# KiCad board accurate2_eval.kicad_pcb (continued)
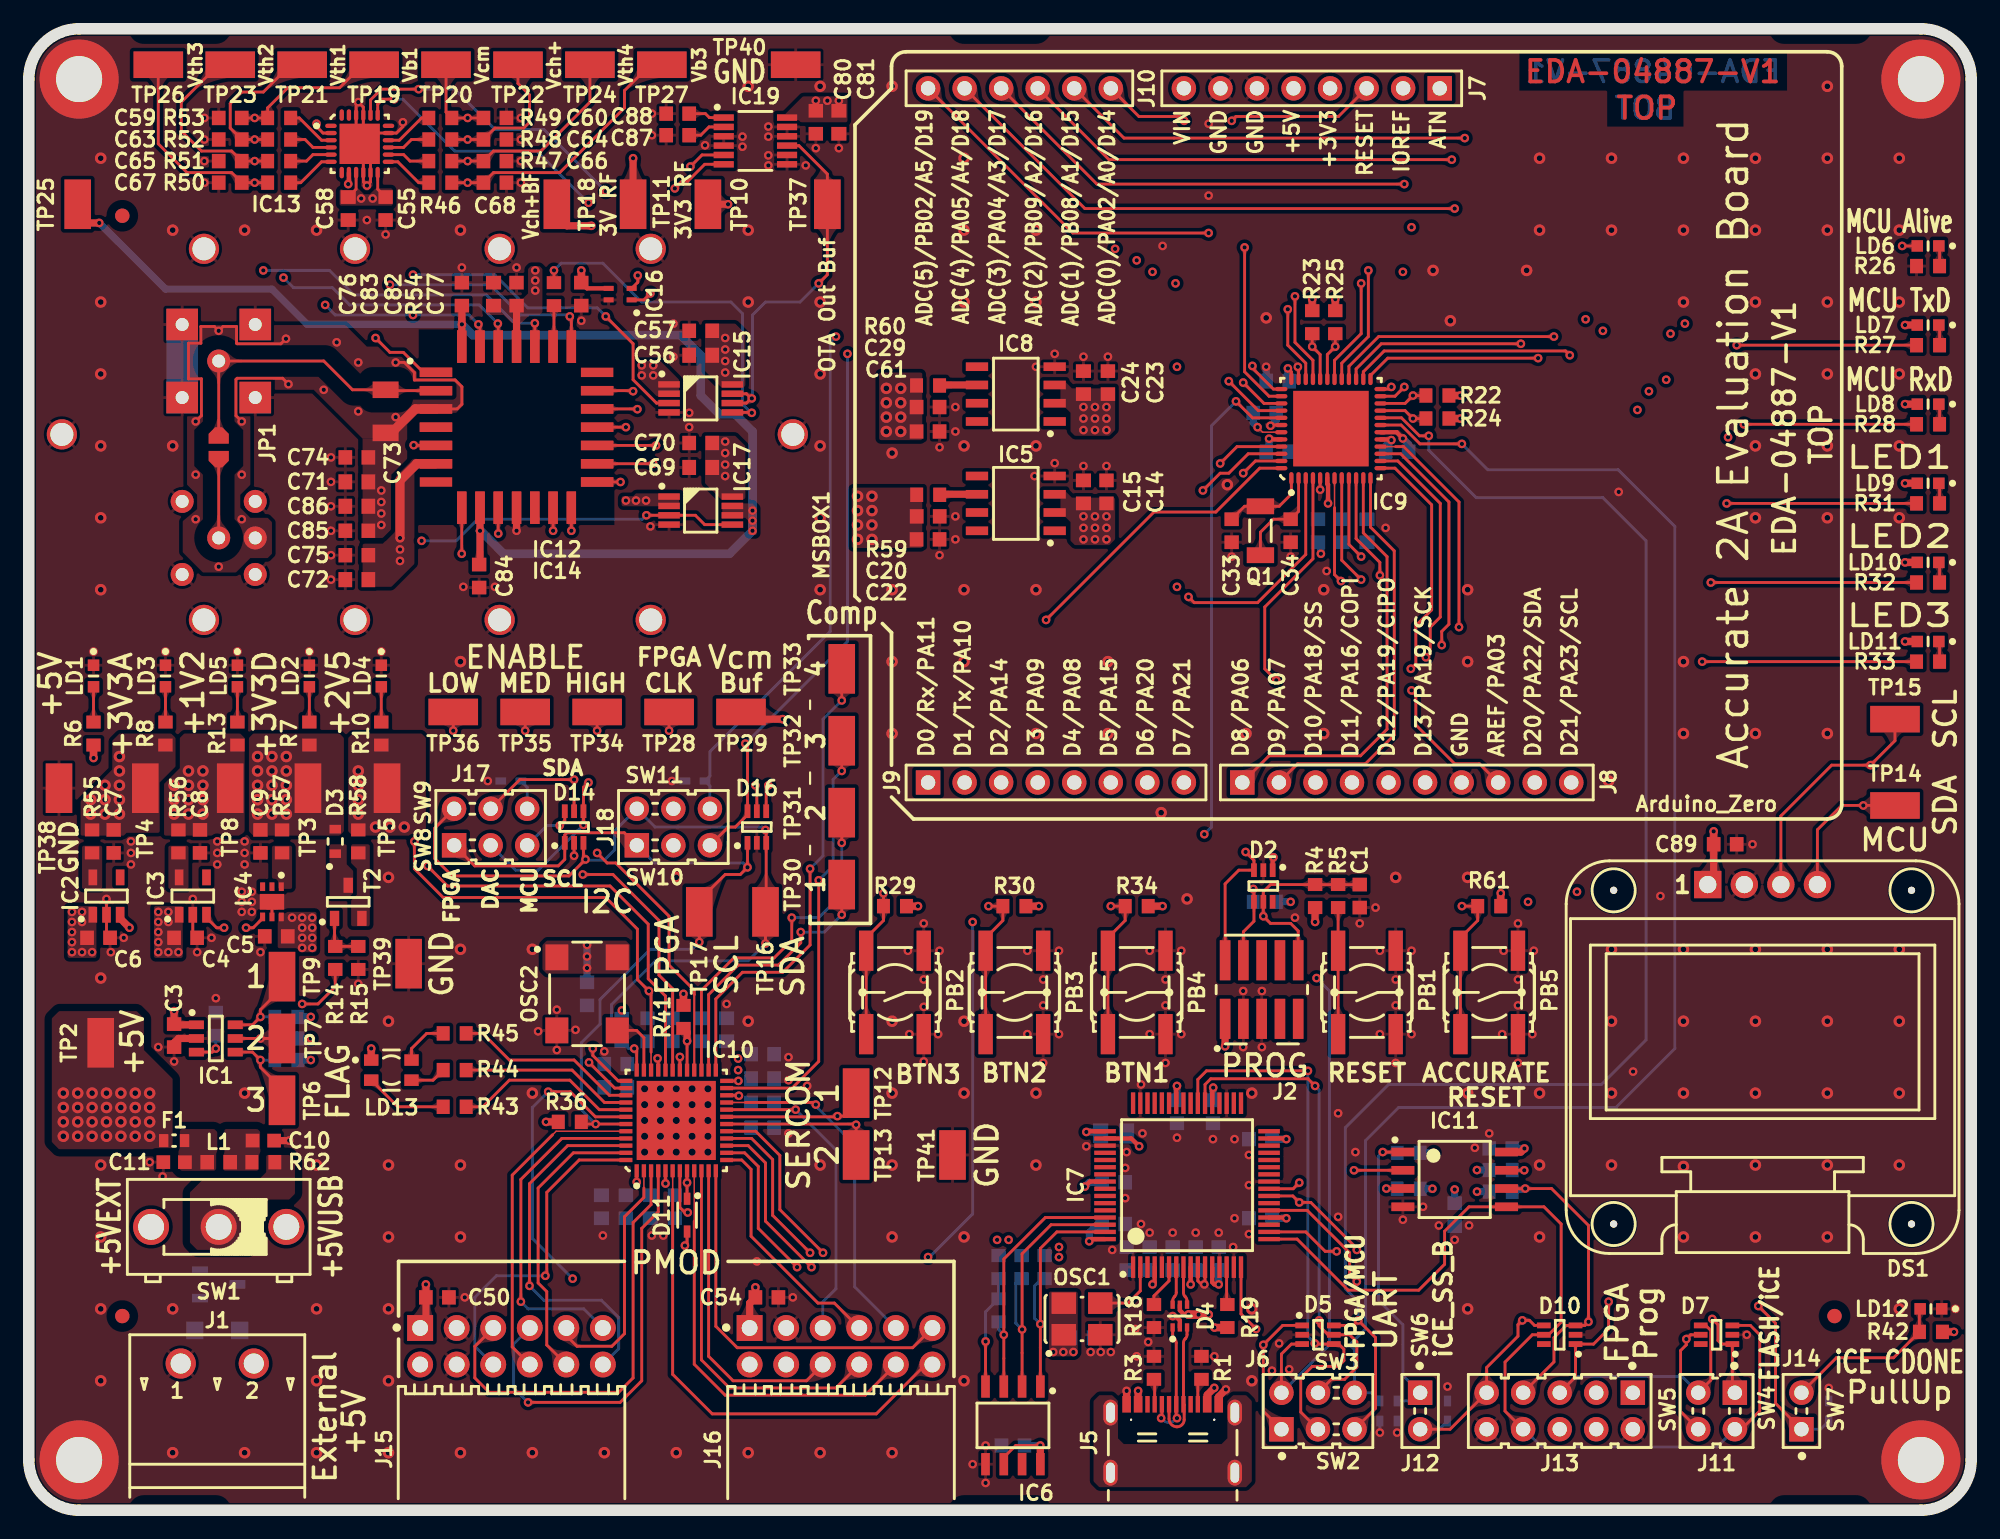
[diagram p0: board, top side]
## Placement (name value [footprint] x y rotation side) (continued)
TP19  -  [HARWIN_S1751-46]  24 100.5 0 top
TP20  -  [HARWIN_S1751-46]  29 100.5 0 top
TP21  -  [HARWIN_S1751-46]  19 100.5 0 top
TP22  -  [HARWIN_S1751-46]  34 100.5 0 top
TP23  -  [HARWIN_S1751-46]  14 100.5 0 top
TP24  -  [HARWIN_S1751-46]  39 100.5 0 top
TP25  -  [HARWIN_S1751-46]  3.4 90.8 90 top
TP26  -  [HARWIN_S1751-46]  9 100.5 0 top
TP27  -  [HARWIN_S1751-46]  44 100.5 0 top
TP28  -  [HARWIN_S1751-46]  44.5 55.5 0 top
TP29  -  [HARWIN_S1751-46]  49.5 55.5 0 top
TP30  -  [HARWIN_S1751-46]  56.5 43.5 90 top
TP31  -  [HARWIN_S1751-46]  56.5 48.5 90 top
TP32  -  [HARWIN_S1751-46]  56.5 53.5 90 top
TP33  -  [HARWIN_S1751-46]  56.5 58.5 90 top
TP34  -  [HARWIN_S1751-46]  39.5 55.5 0 top
TP35  -  [HARWIN_S1751-46]  34.5 55.5 0 top
TP36  -  [HARWIN_S1751-46]  29.5 55.5 0 top
TP37  -  [HARWIN_S1751-46]  55.5 90.8 90 top
TP38  -  [HARWIN_S1751-46]  2.1 50.2 270 top
TP39  -  [HARWIN_S1751-46]  26.4 38 90 top
TP40  -  [HARWIN_S1751-46]  53.3 100.5 180 top
TP41  -  [HARWIN_S1751-46]  64.2 24.7 90 top

## Library data of the parts
B1-B4 = -: Datasheet: Undefined; Author: CERN DEM JMW; Component Kind: Standard (No BOM); Component Type: Standard (No BOM); ComponentHeight: 0mm; CreateDate: 10/01/12 00:00:00; Database Table Name: Eletro-mechanical; Family: Plated Hole; Footprint Library: Pads; Footprint Path: PcbLib\Pads.PcbLib; Footprint Ref: MTG320_550; HelpURL: Undefined; LatestRevisionDate: 10/01/12 00:00:00; Library Name: Pads; Library Path: SchLib\Pads.SchLib; Library Ref: Single Terminal Socket; License: This work is licensed under the Creative Commons CC-BY-SA 4.0 License. To the extent that circuit schematics that use Licensed Material can be considered to be ‘Adapted Material’, then the copyright holder waives article 3.b of the license with respect to these schematics.; Mounted: No; PackageDescription: Plated Through Hole: Hole Dia.=3.2mm Pad Dia.=5.5mm; Part Description: Plated Through Hole: Hole Dia.=3.2mm Pad Dia.=5.5mm; Pin Count: 1; SMD: No; Sense: No; Socket: No; Status: None
B5-B8 = -: Datasheet: Undefined; Author: CERN DEM JMW; Component Kind: Standard (No BOM); Component Type: Standard (No BOM); ComponentHeight: 0mm; CreateDate: 05/18/22 00:00:00; Database Table Name: Eletro-mechanical; Family: Non Plated Hole; Footprint Library: Pads; Footprint Path: PcbLib\Pads.PcbLib; Footprint Ref: MTG250; HelpURL: Undefined; LatestRevisionDate: 05/18/22 00:00:00; Library Name: Pads; Library Path: SchLib\Pads.SchLib; Library Ref: Single Terminal Socket; License: This work is licensed under the Creative Commons CC-BY-SA 4.0 License. To the extent that circuit schematics that use Licensed Material can be considered to be ‘Adapted Material’, then the copyright holder waives article 3.b of the license with respect to these schematics.; Mounted: No; PackageDescription: Non Plated Through Hole: Hole Dia.=2.5mm; Part Description: Non Plated Through Hole: Hole Dia.=2.5mm; Pin Count: 1; SMD: No; Sense: No; Socket: No; Status: None
C1-C3 C14 C18 C19 C23 C25-C32 C36 C37 C39 C41-C44 C46 C47 C50-C55 C57 C70 C74-C77 C80 C82 C84 C85 C87 C88 C90 C93 = -: Datasheet: \\cern.ch\dfs\Applications\Altium\Datasheets\CC0603_X7R_PHYCOMP.pdf; Author: CERN DEM JLC; Case: 0603; Comment: 100nF; Component Kind: Standard; Component Type: Standard; CreateDate: 12/03/07 00:00:00; Database Table Name: Capacitors; Footprint Library: Capacitors SMD; Footprint Path: PcbLib\Capacitors SMD.PcbLib; Footprint Ref: CAPC1608X87N; HelpURL: \\cern.ch\dfs\Applications\Altium\Datasheets\CC0603_X7R_PHYCOMP.pdf; LatestRevisionDate: 12/03/07 00:00:00; Library Name: Capacitors SMD; Library Path: SchLib\Capacitors.SchLib; Library Ref: Capacitor - non polarized; License: This work is licensed under the Creative Commons CC-BY-SA 4.0 License. To the extent that circuit schematics that use Licensed Material can be considered to be ‘Adapted Material’, then the copyright holder waives article 3.b of the license with respect to these schematics.; Manufacturer: GENERIC; Manufacturer1 ComponentHeight: 0.87mm; Manufacturer1 Example: PHYCOMP; Manufacturer1 Part Number: 223858615649; Mounted: Yes; Part Description: SMD Multilayer Chip Ceramic Capacitor; Pin Count: 2; SMD: Yes; Sense: No; Socket: No; Status: Preferred; TC: X7R; Tolerance: ±10%; Val: 100nF; Voltage: 50V
C4-C9 C40 C89 = -: Datasheet: \\cern.ch\dfs\Applications\Altium\Datasheets\CC0603_X7R_MURATA.pdf; Author: CERN DEM JLC; Case: 0603; Comment: 1uF; Component Kind: Standard; Component Type: Standard; CreateDate: 01/18/11 00:00:00; Database Table Name: Capacitors; Footprint Library: Capacitors SMD; Footprint Path: PcbLib\Capacitors SMD.PcbLib; Footprint Ref: CAPC1608X87N; HelpURL: \\cern.ch\dfs\Applications\Altium\Datasheets\CC0603_X7R_MURATA.pdf; LatestRevisionDate: 01/18/11 00:00:00; Library Name: Capacitors SMD; Library Path: SchLib\Capacitors.SchLib; Library Ref: Capacitor - non polarized; License: This work is licensed under the Creative Commons CC-BY-SA 4.0 License. To the extent that circuit schematics that use Licensed Material can be considered to be ‘Adapted Material’, then the copyright holder waives article 3.b of the license with respect to these schematics.; Manufacturer: GENERIC; Manufacturer1 ComponentHeight: 0.9mm; Manufacturer1 Example: MURATA; Manufacturer1 Part Number: GRM188R71E105KA12D; Mounted: Yes; Part Description: SMD Multilayer Chip Ceramic Capacitor; Pin Count: 2; SMD: Yes; Sense: No; Socket: No; Status: None; TC: X7R; Tolerance: ±10%; Val: 1uF; Voltage: 25V
C10 C11 = -: Datasheet: \\cern.ch\dfs\Applications\Altium\Datasheets\CC0603_X7R_TAIYO-YUDEN_HIGH-VALUE.pdf; Author: CERN DEM JLC; Case: 0603; Comment: 2.2uF; Component Kind: Standard; Component Type: Standard; CreateDate: 06/22/11 00:00:00; Database Table Name: Capacitors; Footprint Library: Capacitors SMD; Footprint Path: PcbLib\Capacitors SMD.PcbLib; Footprint Ref: CAPC1608X90N; HelpURL: \\cern.ch\dfs\Applications\Altium\Datasheets\CC0603_X7R_TAIYO-YUDEN_HIGH-VALUE.pdf; LatestRevisionDate: 06/27/11 00:00:00; Library Name: Capacitors SMD; Library Path: SchLib\Capacitors.SchLib; Library Ref: Capacitor - non polarized; License: This work is licensed under the Creative Commons CC-BY-SA 4.0 License. To the extent that circuit schematics that use Licensed Material can be considered to be ‘Adapted Material’, then the copyright holder waives article 3.b of the license with respect to these schematics.; Manufacturer: GENERIC; Manufacturer1 ComponentHeight: 0.9mm; Manufacturer1 Example: TAIYO YUDEN; Manufacturer1 Part Number: LMK107B7225MA-T; Mounted: Yes; Part Description: SMD Multilayer Chip Ceramic Capacitor; Pin Count: 2; SMD: Yes; Sense: No; Socket: No; Status: Not Recommended; TC: X7R; Tolerance: ±20%; Val: 2.2uF; Voltage: 10V
C12 C13 = -: Datasheet: \\cern.ch\dfs\Applications\Altium\Datasheets\CC0603_X7R_PHYCOMP.pdf; Author: CERN DEM JLC; Case: 0603; Comment: 10nF; Component Kind: Standard; Component Type: Standard; CreateDate: 12/03/07 00:00:00; Database Table Name: Capacitors; Footprint Library: Capacitors SMD; Footprint Path: PcbLib\Capacitors SMD.PcbLib; Footprint Ref: CAPC1608X87N; HelpURL: \\cern.ch\dfs\Applications\Altium\Datasheets\CC0603_X7R_PHYCOMP.pdf; LatestRevisionDate: 12/03/07 00:00:00; Library Name: Capacitors SMD; Library Path: SchLib\Capacitors.SchLib; Library Ref: Capacitor - non polarized; License: This work is licensed under the Creative Commons CC-BY-SA 4.0 License. To the extent that circuit schematics that use Licensed Material can be considered to be ‘Adapted Material’, then the copyright holder waives article 3.b of the license with respect to these schematics.; Manufacturer: GENERIC; Manufacturer1 ComponentHeight: 0.87mm; Manufacturer1 Example: PHYCOMP; Manufacturer1 Part Number: 223858615636; Mounted: Yes; Part Description: SMD Multilayer Chip Ceramic Capacitor; Pin Count: 2; SMD: Yes; Sense: No; Socket: No; Status: Preferred; TC: X7R; Tolerance: ±10%; Val: 10nF; Voltage: 50V
C15 C24 C35 C38 C45 C48 C49 C56 C58 C69 C71 C72 C81 C83 C86 C91 C92 C94 = -: Datasheet: \\cern.ch\dfs\Applications\Altium\Datasheets\CC0603_X5R_TDK_C.pdf; Author: CERN DEM BC; Case: 0603; Comment: 10uF; Component Kind: Standard; Component Type: Standard; CreateDate: 07/01/20 00:00:00; Database Table Name: Capacitors; Footprint Library: Capacitors SMD; Footprint Path: PcbLib\Capacitors SMD.PcbLib; Footprint Ref: CAPC1709X100N; HelpURL: \\cern.ch\dfs\Applications\Altium\Datasheets\CC0603_X5R_TDK_C.pdf; LatestRevisionDate: 07/01/20 00:00:00; Library Name: Capacitors SMD; Library Path: SchLib\Capacitors.SchLib; Library Ref: Capacitor - non polarized; License: This work is licensed under the Creative Commons CC-BY-SA 4.0 License. To the extent that circuit schematics that use Licensed Material can be considered to be ‘Adapted Material’, then the copyright holder waives article 3.b of the license with respect to these schematics.; Manufacturer: GENERIC; Manufacturer1 ComponentHeight: 1mm; Manufacturer1 Example: TDK; Manufacturer1 Part Number: C1608X5R1E106M080; Mounted: Yes; Part Description: SMD Multilayer Chip Ceramic Capacitor; Pin Count: 2; SMD: Yes; Sense: No; Socket: No; Status: None; TC: X5R; Tolerance: ±20%; Val: 10uF; Voltage: 25V
C16 C17 = -: Datasheet: \\cern.ch\dfs\Applications\Altium\Datasheets\CC0805_X5R_PHYCOMP_HC.pdf; Author: CERN DEM JLC; Case: 0603; Comment: 4.7uF; Component Kind: Standard; Component Type: Standard; CreateDate: 12/03/07 00:00:00; Database Table Name: Capacitors; Footprint Library: Capacitors SMD; Footprint Path: PcbLib\Capacitors SMD.PcbLib; Footprint Ref: CAPC1608X87N; HelpURL: \\cern.ch\dfs\Applications\Altium\Datasheets\CC0805_X5R_PHYCOMP_HC.pdf; LatestRevisionDate: 12/03/07 00:00:00; Library Name: Capacitors SMD; Library Path: SchLib\Capacitors.SchLib; Library Ref: Capacitor - non polarized; License: This work is licensed under the Creative Commons CC-BY-SA 4.0 License. To the extent that circuit schematics that use Licensed Material can be considered to be ‘Adapted Material’, then the copyright holder waives article 3.b of the license with respect to these schematics.; Manufacturer: GENERIC; Manufacturer1 ComponentHeight: 0.87mm; Manufacturer1 Example: PHYCOMP; Manufacturer1 Part Number: 225520613672; Mounted: Yes; Part Description: SMD Multilayer Chip Ceramic Capacitor; Pin Count: 2; SMD: Yes; Sense: No; Socket: No; Status: Preferred; TC: X5R; Tolerance: ±10%; Val: 4.7uF; Voltage: 6.3V
C20 = -: Datasheet: \\cern.ch\dfs\Applications\Altium\Datasheets\CC0603_X7R_MURATA.pdf; Description: SMD Multilayer Chip Ceramic Capacitor; Author: CERN DEM JLC; Case: 0603; Comment: 1uF; Component Kind: Standard; Component Type: Standard; CreateDate: 01/18/11 00:00:00; Database Table Name: Capacitors; Footprint Library: Capacitors SMD; Footprint Path: PcbLib\Capacitors SMD.PcbLib; Footprint Ref: CAPC1608X87N; HelpURL: \\cern.ch\dfs\Applications\Altium\Datasheets\CC0603_X7R_MURATA.pdf; LatestRevisionDate: 01/18/11 00:00:00; Library Name: Capacitors SMD; Library Path: SchLib\Capacitors.SchLib; Library Ref: Capacitor - non polarized; License: CC-BY-SA 4.0; Manufacturer: GENERIC; Manufacturer1 ComponentHeight: 0.9mm; Manufacturer1 Example: MURATA; Manufacturer1 Part Number: GRM188R71E105KA12D; Mounted: Yes; Part Description: SMD Multilayer Chip Ceramic Capacitor; Pin Count: 2; SMD: Yes; Sense: No; Socket: No; Status: None; TC: X7R; Tolerance: ±10%; Val: 1uF; Voltage: 25V
C21 = -: Datasheet: \\cern.ch\dfs\Applications\Altium\Datasheets\CC0805_X5R_AVX.pdf; Author: CERN DEM JLC; Case: 0805; Comment: 3.3uF; Component Kind: Standard; Component Type: Standard; CreateDate: 12/03/07 00:00:00; Database Table Name: Capacitors; Footprint Library: Capacitors SMD; Footprint Path: PcbLib\Capacitors SMD.PcbLib; Footprint Ref: CAPC2012X135N; HelpURL: \\cern.ch\dfs\Applications\Altium\Datasheets\CC0805_X5R_AVX.pdf; LatestRevisionDate: 12/03/07 00:00:00; Library Name: Capacitors SMD; Library Path: SchLib\Capacitors.SchLib; Library Ref: Capacitor - non polarized; License: This work is licensed under the Creative Commons CC-BY-SA 4.0 License. To the extent that circuit schematics that use Licensed Material can be considered to be ‘Adapted Material’, then the copyright holder waives article 3.b of the license with respect to these schematics.; Manufacturer: GENERIC; Manufacturer1 ComponentHeight: 1.4mm; Manufacturer1 Example: AVX; Manufacturer1 Part Number: 0805ZD335KAT2A; Mounted: Yes; Part Description: SMD Multilayer Chip Ceramic Capacitor; Pin Count: 2; SMD: Yes; Sense: No; Socket: No; Status: Preferred; TC: X5R; Tolerance: ±10%; Val: 3.3uF; Voltage: 10V
C22 = -: Datasheet: \\cern.ch\dfs\Applications\Altium\Datasheets\CC0603_X7R_PHYCOMP.pdf; Description: SMD Multilayer Chip Ceramic Capacitor; Author: CERN DEM JLC; Case: 0603; Comment: 100nF; Component Kind: Standard; Component Type: Standard; CreateDate: 12/03/07 00:00:00; Database Table Name: Capacitors; Footprint Library: Capacitors SMD; Footprint Path: PcbLib\Capacitors SMD.PcbLib; Footprint Ref: CAPC1608X87N; HelpURL: \\cern.ch\dfs\Applications\Altium\Datasheets\CC0603_X7R_PHYCOMP.pdf; LatestRevisionDate: 12/03/07 00:00:00; Library Name: Capacitors SMD; Library Path: SchLib\Capacitors.SchLib; Library Ref: Capacitor - non polarized; License: CC-BY-SA 4.0; Manufacturer: GENERIC; Manufacturer1 ComponentHeight: 0.87mm; Manufacturer1 Example: PHYCOMP; Manufacturer1 Part Number: 223858615649; Mounted: Yes; Part Description: SMD Multilayer Chip Ceramic Capacitor; Pin Count: 2; SMD: Yes; Sense: No; Socket: No; Status: Preferred; TC: X7R; Tolerance: ±10%; Voltage: 50V
C33 C34 = -: Datasheet: \\cern.ch\dfs\Applications\Altium\Datasheets\CC0603_NP0_PHYCOMP.pdf; Author: CERN DEM JLC; Case: 0603; Comment: 22pF; Component Kind: Standard; Component Type: Standard; CreateDate: 12/03/07 00:00:00; Database Table Name: Capacitors; Footprint Library: Capacitors SMD; Footprint Path: PcbLib\Capacitors SMD.PcbLib; Footprint Ref: CAPC1608X87N; HelpURL: \\cern.ch\dfs\Applications\Altium\Datasheets\CC0603_NP0_PHYCOMP.pdf; LatestRevisionDate: 12/03/07 00:00:00; Library Name: Capacitors SMD; Library Path: SchLib\Capacitors.SchLib; Library Ref: Capacitor - non polarized; License: This work is licensed under the Creative Commons CC-BY-SA 4.0 License. To the extent that circuit schematics that use Licensed Material can be considered to be ‘Adapted Material’, then the copyright holder waives article 3.b of the license with respect to these schematics.; Manufacturer: GENERIC; Manufacturer1 ComponentHeight: 0.87mm; Manufacturer1 Example: PHYCOMP; Manufacturer1 Part Number: 223886715229; Mounted: Yes; Part Description: SMD Multilayer Chip Ceramic Capacitor; Pin Count: 2; SMD: Yes; Sense: No; Socket: No; Status: Preferred; TC: C0G/NP0; Tolerance: ±5%; Val: 22pF; Voltage: 50V
C59 C60 C63-C68 = -: Datasheet: \\cern.ch\dfs\Applications\Altium\Datasheets\CC0603_NP0_PHYCOMP.pdf; Author: CERN DEM JLC; Case: 0603; Comment: 470pF; Component Kind: Standard; Component Type: Standard; CreateDate: 12/03/07 00:00:00; Database Table Name: Capacitors; Footprint Library: Capacitors SMD; Footprint Path: PcbLib\Capacitors SMD.PcbLib; Footprint Ref: CAPC1608X87N; HelpURL: \\cern.ch\dfs\Applications\Altium\Datasheets\CC0603_NP0_PHYCOMP.pdf; LatestRevisionDate: 12/03/07 00:00:00; Library Name: Capacitors SMD; Library Path: SchLib\Capacitors.SchLib; Library Ref: Capacitor - non polarized; License: This work is licensed under the Creative Commons CC-BY-SA 4.0 License. To the extent that circuit schematics that use Licensed Material can be considered to be ‘Adapted Material’, then the copyright holder waives article 3.b of the license with respect to these schematics.; Manufacturer: GENERIC; Manufacturer1 ComponentHeight: 0.87mm; Manufacturer1 Example: PHYCOMP; Manufacturer1 Part Number: 223886715471; Mounted: No; Part Description: SMD Multilayer Chip Ceramic Capacitor; Pin Count: 2; SMD: Yes; Sense: No; Socket: No; Status: Preferred; TC: C0G/NP0; Tolerance: ±5%; Val: 470pF; Voltage: 50V
C61 = -: Datasheet: \\cern.ch\dfs\Applications\Altium\Datasheets\CC0603_X7R_MURATA.pdf; Description: SMD Multilayer Chip Ceramic Capacitor; Val: 1uF; Library Ref: Capacitor - non polarized; Library Path: SchLib\Capacitors.SchLib; Comment: 1uF; Component Kind: Standard; Component Type: Standard; Pin Count: 2; Footprint Path: PcbLib\Capacitors SMD.PcbLib; Footprint Ref: CAPC1608X87N; Status: None; Voltage: 25V; TC: X7R; Tolerance: ±10%; Part Description: SMD Multilayer Chip Ceramic Capacitor; Manufacturer: GENERIC; Case: 0603; Mounted: Yes; Socket: No; SMD: Yes; Sense: No; Manufacturer1 Example: MURATA; Manufacturer1 Part Number: GRM188R71E105KA12D; Manufacturer1 ComponentHeight: 0.9mm; HelpURL: \\cern.ch\dfs\Applications\Altium\Datasheets\CC0603_X7R_MURATA.pdf; Author: CERN DEM JLC; CreateDate: 01/18/11 00:00:00; LatestRevisionDate: 01/18/11 00:00:00; Database Table Name: Capacitors; Library Name: Capacitors SMD; Footprint Library: Capacitors SMD; License: CC-BY-SA 4.0
C73 = -: Datasheet: \\cern.ch\dfs\Applications\Altium\Datasheets\CC1206_X7R_VISHAY_VJ.pdf; Author: CERN DEM JLC; Case: 1206; Comment: 100nF; Component Kind: Standard; Component Type: Standard; CreateDate: 12/03/07 00:00:00; Database Table Name: Capacitors; Footprint Library: Capacitors SMD; Footprint Path: PcbLib\Capacitors SMD.PcbLib; Footprint Ref: CAPC3216X140N; HelpURL: \\cern.ch\dfs\Applications\Altium\Datasheets\CC1206_X7R_VISHAY_VJ.pdf; LatestRevisionDate: 12/03/07 00:00:00; Library Name: Capacitors SMD; Library Path: SchLib\Capacitors.SchLib; Library Ref: Capacitor - non polarized; License: This work is licensed under the Creative Commons CC-BY-SA 4.0 License. To the extent that circuit schematics that use Licensed Material can be considered to be ‘Adapted Material’, then the copyright holder waives article 3.b of the license with respect to these schematics.; Manufacturer: GENERIC; Manufacturer1 ComponentHeight: 1.7mm; Manufacturer1 Example: VISHAY VITRAMON; Manufacturer1 Part Number: VJ1206Y104KXAAT; Mounted: No; Part Description: SMD Multilayer Chip Ceramic Capacitor; Pin Count: 2; SMD: Yes; Sense: No; Socket: No; Status: Preferred; TC: X7R; Tolerance: ±10%; Val: 100nF; Voltage: 50V
D1 = -: Datasheet: \\cern.ch\dfs\Applications\Altium\Datasheets\LITTELFUSE_SMF.pdf; Author: CERN DEM HF; Bonding: No; Case: SOD-123FL; Component Kind: Standard; Component Type: Standard; ComponentHeight: 1.08mm; CreateDate: 02/27/23 00:00:00; Database Table Name: ICs And Semiconductors; Footprint Library: ICs And Semiconductors SMD; Footprint Path: PcbLib\ICs And Semiconductors SMD.PcbLib; Footprint Ref: SODFL3718X108N; HelpURL: \\cern.ch\dfs\Applications\Altium\Datasheets\LITTELFUSE_SMF.pdf; LatestRevisionDate: 02/27/23 00:00:00; Library Name: Diodes; Library Path: SchLib\Diodes.SchLib; Library Ref: Diode TVS Uni-Directional; License: This work is licensed under the Creative Commons CC-BY-SA 4.0 License. To the extent that circuit schematics that use Licensed Material can be considered to be ‘Adapted Material’, then the copyright holder waives article 3.b of the license with respect to these schematics.; Manufacturer: LITTELFUSE; Mounted: Yes; PackageDescription: SODFL Diode (SOD123FL); 2.75mm W X 1.72mm L X 1.08mm H body, IPC Medium Density; Part Description: Bi-directional TVS Diode,  Lightning Surge Protection; Pin Count: 2; Power: 200W; PressFit: No; SMD: Yes; Sense: No; Socket: No; Voltage: 5V
D2 D5 D7 D14 D16 = -: Datasheet: \\cern.ch\dfs\Applications\Altium\Datasheets\PESD3V3L5UY.pdf; Author: CERN DEM WB; Bonding: No; Case: SOT363; Component Kind: Standard; Component Type: Standard; ComponentHeight: 1.1mm; CreateDate: 07/05/21 00:00:00; Database Table Name: ICs And Semiconductors; Footprint Library: ICs And Semiconductors SMD; Footprint Path: PcbLib\ICs And Semiconductors SMD.PcbLib; Footprint Ref: SOT65P210X110-6N; HelpURL: \\cern.ch\dfs\Applications\Altium\Datasheets\PESD3V3L5UY.pdf; LatestRevisionDate: 07/05/21 00:00:00; Library Name: Diodes; Library Path: SchLib\Diodes.SchLib; Library Ref: PESD Array 5diodes 6pins Common anode2; License: This work is licensed under the Creative Commons CC-BY-SA 4.0 License. To the extent that circuit schematics that use Licensed Material can be considered to be ‘Adapted Material’, then the copyright holder waives article 3.b of the license with respect to these schematics.; Manufacturer: NEXPERIA; Mounted: Yes; PackageDescription: SOT363, SC-88, 0.65mm Pitch; 6 Pin, 1.25mm W X 2.00mm L X 1.10mm H body, IPC Medium Density; Part Description: Fivefold ESD Protection Diode Arrays (30kV); Pin Count: 6; Power: 200W; PressFit: No; SMD: Yes; Sense: No; Socket: No; Voltage: 3.3V
D3 = -: Datasheet: \\cern.ch\dfs\Applications\Altium\Datasheets\CDBU0520-HF.pdf; Author: CERN DEM HF; Bonding: No; Case: SOD-523F; Component Kind: Standard; Component Type: Standard; ComponentHeight: 1mm; CreateDate: 10/13/23 00:00:00; Database Table Name: ICs And Semiconductors; Footprint Library: ICs And Semiconductors SMD; Footprint Path: PcbLib\ICs And Semiconductors SMD.PcbLib; Footprint Ref: SOD-523F; HelpURL: \\cern.ch\dfs\Applications\Altium\Datasheets\CDBU0520-HF.pdf; LatestRevisionDate: 10/13/23 00:00:00; Library Name: Diodes; Library Path: SchLib\Diodes.SchLib; Library Ref: Diode Schottky; License: This work is licensed under the Creative Commons CC-BY-SA 4.0 License. To the extent that circuit schematics that use Licensed Material can be considered to be ‘Adapted Material’, then the copyright holder waives article 3.b of the license with respect to these schematics.; Manufacturer: COMCHIP; Mounted: Yes; PackageDescription: Small Outline Diode Flat Lead (SOD-523F), Body; 1.80mm L X 1mm W X 0.85mm H; Part Description: 20V Surface mount Schottky Barrier Diode; Pin Count: 2; Power: 500mA; PressFit: No; SMD: Yes; Sense: No; Socket: No; Voltage: 20V
D4 = -: Datasheet: \\cern.ch\dfs\Applications\Altium\Datasheets\USBLC6-2P6.pdf; Author: CERN DEM MR; Bonding: No; Case: SOT666; Component Kind: Standard; Component Type: Standard; ComponentHeight: 0.6mm; CreateDate: 06/16/16 00:00:00; Database Table Name: ICs And Semiconductors; Footprint Library: ICs And Semiconductors SMD; Footprint Path: PcbLib\ICs And Semiconductors SMD.PcbLib; Footprint Ref: SOTFL50P160X60-6N; HelpURL: \\cern.ch\dfs\Applications\Altium\Datasheets\USBLC6-2P6.pdf; LatestRevisionDate: 06/16/16 00:00:00; Library Name: Analog & Interface; Library Path: SchLib\Analog & Interface.SchLib; Library Ref: USBLC6-2; License: This work is licensed under the Creative Commons CC-BY-SA 4.0 License. To the extent that circuit schematics that use Licensed Material can be considered to be ‘Adapted Material’, then the copyright holder waives article 3.b of the license with respect to these schematics.; Manufacturer: ST MICROELECTRONICS; Mounted: Yes; PackageDescription: SOTFL (SOT666, SOT563), 0.50mm, Pitch; 6 Pin, 1.20mm W X 1.60mm L X 0.60mm H Body, IPC Medium Density; Part Description: 2 Data-Line Protection, Very Low Capacitance ESD Protection; Pin Count: 6; PressFit: No; SMD: Yes; Sense: No; Socket: No
D6 D8 D9 D12 D15 D17 = -: Datasheet: \\cern.ch\dfs\Applications\Altium\Datasheets\PESD3V3S1UB.pdf; Description: ESD protection diode (23kV); Author: CERN DEM JLC; Bonding: No; Case: SOD523; Component Kind: Standard; Component Type: Standard; ComponentHeight: 0.65mm; CreateDate: 11/29/12 00:00:00; Database Table Name: ICs And Semiconductors; Footprint Library: ICs And Semiconductors SMD; Footprint Path: PcbLib\ICs And Semiconductors SMD.PcbLib; Footprint Ref: SODFL1608X65N; HelpURL: \\cern.ch\dfs\Applications\Altium\Datasheets\PESD3V3S1UB.pdf; LatestRevisionDate: 11/29/12 00:00:00; Library Name: Diodes; Library Path: SchLib\Diodes.SchLib; Library Ref: Diode ESD; License: CC-BY-SA 4.0; Manufacturer: NXP SEMICONDUCTORS; Mounted: Yes; PackageDescription: Ultra Small Outline Diode Flat Lead (SOD-523), Body; 1.2mm L X 0.8mm W X 0.65mm H, IPC Medium Density; Part Description: ESD protection diode (23kV); Pin Count: 2; Power: 330W; PressFit: No; SMD: Yes; Sense: No; Socket: No; Voltage: 3V3
D10 = -: Datasheet: \\cern.ch\dfs\Applications\Altium\Datasheets\PESD3V3L5UY.pdf; Author: CERN DEM WB; Bonding: No; Case: SOT363; Component Kind: Standard; Component Type: Standard; ComponentHeight: 1.1mm; CreateDate: 07/05/21 00:00:00; Database Table Name: ICs And Semiconductors; Footprint Library: ICs And Semiconductors SMD; Footprint Path: PcbLib\ICs And Semiconductors SMD.PcbLib; Footprint Ref: SOT65P210X110-6N; HelpURL: \\cern.ch\dfs\Applications\Altium\Datasheets\PESD3V3L5UY.pdf; LatestRevisionDate: 07/05/21 00:00:00; Library Name: Diodes; Library Path: SchLib\Diodes.SchLib; Library Ref: PESD Array 5diodes 6pins Common anode2; License: This work is licensed under the Creative Commons CC-BY-SA 4.0 License. To the extent that circuit schematics that use Licensed Material can be considered to be ‘Adapted Material’, then the copyright holder waives article 3.b of the license with respect to these schematics.; Manufacturer: NEXPERIA; Mounted: No; PackageDescription: SOT363, SC-88, 0.65mm Pitch; 6 Pin, 1.25mm W X 2.00mm L X 1.10mm H body, IPC Medium Density; Part Description: Fivefold ESD Protection Diode Arrays (30kV); Pin Count: 6; Power: 200W; PressFit: No; SMD: Yes; Sense: No; Socket: No; Voltage: 3.3V
D11 = -: Datasheet: \\cern.ch\dfs\Applications\Altium\Datasheets\1N4148WS.pdf; Author: CERN DEM JLC; Bonding: No; Case: SOD-323F; Component Kind: Standard; Component Type: Standard; ComponentHeight: 1mm; CreateDate: 05/12/11 00:00:00; Database Table Name: ICs And Semiconductors; Footprint Library: ICs And Semiconductors SMD; Footprint Path: PcbLib\ICs And Semiconductors SMD.PcbLib; Footprint Ref: SODFL2512X100N; HelpURL: \\cern.ch\dfs\Applications\Altium\Datasheets\1N4148WS.pdf; LatestRevisionDate: 05/12/11 00:00:00; Library Name: Diodes; Library Path: SchLib\Diodes.SchLib; Library Ref: Diode; License: This work is licensed under the Creative Commons CC-BY-SA 4.0 License. To the extent that circuit schematics that use Licensed Material can be considered to be ‘Adapted Material’, then the copyright holder waives article 3.b of the license with respect to these schematics.; Manufacturer: FAIRCHILD SEMICONDUCTOR; Mounted: Yes; PackageDescription: SODFL Diode (SOD323F); 1.70mm W X 1.25mm L X 1.00mm H body, IPC Medium Density; Part Description: Small Signal Diodes; Pin Count: 2; Power: 150mA; PressFit: No; SMD: Yes; Sense: No; Socket: No; Voltage: 75V
DS1 = -: Datasheet: \\cern.ch\dfs\Applications\Altium\Datasheets\DS_MIDAS_MDOB128064V2V-WI.pdf; Author: CERN DEM BC; Bonding: No; Comment: MDOB128064V2V-WI; Component Kind: Standard; Component Type: Standard; ComponentHeight: 3.87mm; CreateDate: 01/27/20 00:00:00; Database Table Name: ICs And Semiconductors; Device: MDOB128064V2V-WI; Footprint Library: ICs And Semiconductors THD; Footprint Path: PcbLib\ICs And Semiconductors THD.PcbLib; HelpURL: \\cern.ch\dfs\Applications\Altium\Datasheets\DS_MIDAS_MDOB128064V2V-WI.pdf; LatestRevisionDate: 01/27/20 00:00:00; Library Name: LEDs & Displays; Library Path: SchLib\LEDs & Displays.SchLib; License: This work is licensed under the Creative Commons CC-BY-SA 4.0 License. To the extent that circuit schematics that use Licensed Material can be considered to be ‘Adapted Material’, then the copyright holder waives article 3.b of the license with respect to these schematics.; Manufacturer: MIDAS DISPLAY; Manufacturer Part Number: MDOB128064V2V-WI; Mounted: Yes; PackageDescription: LCD Display Module, 128 x 64 Dots Matrix, Body 27.3x27.3mm; Part Description: LCD Display, Display Color White, I2C Bus Data Interface, 128 x 64 Dots Matrix; Pin Count: 4; PressFit: No; SMD: No; Sense: Yes; Sense Comment: Manual Soldering and Non-washable; Socket: No; Status Comment: Sensitive (See Sensitive Field)
F1 = -: Datasheet: \\cern.ch\dfs\Applications\Altium\Datasheets\FUSC_BOURNS_SF-0603F.pdf; Author: CERN DEM JLC; Case: 0603; Comment: 500mA-50V; Component Kind: Standard; Component Type: Standard; ComponentHeight: 0.55mm; CreateDate: 02/01/17 00:00:00; Database Table Name: Eletro-mechanical; Family: Fuse; Footprint Library: Fuses; Footprint Path: PcbLib\Fuses.PcbLib; Footprint Ref: FUSC_BOURNS_SF-0603F; HelpURL: \\cern.ch\dfs\Applications\Altium\Datasheets\FUSC_BOURNS_SF-0603F.pdf; LatestRevisionDate: 02/01/17 00:00:00; Library Name: Fuses; Library Path: SchLib\Fuses.SchLib; Library Ref: Fuse; License: This work is licensed under the Creative Commons CC-BY-SA 4.0 License. To the extent that circuit schematics that use Licensed Material can be considered to be ‘Adapted Material’, then the copyright holder waives article 3.b of the license with respect to these schematics.; Manufacturer: BOURNS; Manufacturer Part Number: SF-0603F050-2; Mounted: Yes; PackageDescription: Chip Fuse, 2-Leads, Body 1.6mm x 0.8mm, IPC Medium Density; Part Description: Fast Acting Thin Film Chip Fuse for Overcurrent Protection, SinglFuse™ SF-0603F  Series; Pin Count: 2; PressFit: No; SMD: Yes; Sense: No; Socket: No; Val: 500mA-50V
FTG1-FTG6 = -: Datasheet: Undefined; Author: CERN DEM JLC; Component Kind: Standard (No BOM); Component Type: Standard (No BOM); ComponentHeight: 0mm; CreateDate: 02/09/10 00:00:00; Database Table Name: Eletro-mechanical; Family: Fiducial; Footprint Library: Pads; Footprint Path: PcbLib\Pads.PcbLib; Footprint Ref: FIDUCIAL_TOP_C100-200; HelpURL: Undefined; LatestRevisionDate: 04/04/12 00:00:00; Library Name: Pads; Library Path: SchLib\Pads.SchLib; Library Ref: Fiducial Target; License: This work is licensed under the Creative Commons CC-BY-SA 4.0 License. To the extent that circuit schematics that use Licensed Material can be considered to be ‘Adapted Material’, then the copyright holder waives article 3.b of the license with respect to these schematics.; Mounted: No; PackageDescription: Round Fiducial Target, Top Layer, 1.0mm, Top Solder 2.0mm, Keepout =2.0mm; Part Description: Round Fiducial Target, Top Layer, 1.0mm, Top Solder 2.0mm, Keepout =2.0mm; Pin Count: 1; SMD: Yes; Sense: No; Socket: No; Status: None
IC1 = -: Datasheet: \\cern.ch\dfs\Applications\Altium\Datasheets\LM3880-1AE-NOPB.pdf; Author: CERN DEM MR; Bonding: No; Case: SOT23-6; Component Kind: Standard; Component Type: Standard; ComponentHeight: 1.45mm; CreateDate: 03/08/16 00:00:00; Database Table Name: ICs And Semiconductors; Footprint Library: ICs And Semiconductors SMD; Footprint Path: PcbLib\ICs And Semiconductors SMD.PcbLib; Footprint Ref: SOT95P280X145-6N; HelpURL: \\cern.ch\dfs\Applications\Altium\Datasheets\LM3880-1AE-NOPB.pdf; LatestRevisionDate: 06/01/22 00:00:00; Library Name: Analog & Interface; Library Path: SchLib\Analog & Interface.SchLib; Library Ref: LM3880; License: This work is licensed under the Creative Commons CC-BY-SA 4.0 License. To the extent that circuit schematics that use Licensed Material can be considered to be ‘Adapted Material’, then the copyright holder waives article 3.b of the license with respect to these schematics.; Manufacturer: TEXAS INSTRUMENTS; Manufacturer Part Number: LM3880-1AE; Mounted: Yes; PackageDescription: SOT, 0.95mm Pitch; 6 Pin, 1.60mm W X 2.90mm L X 1.45mm H body, IPC Medium Density; Part Description: Simple Power Sequencer, Power UP : 1 2 3, Power Down 3 2 1, Timing Designator 2ms; Pin Count: 6; PressFit: No; SMD: Yes; Sense: No; Socket: No
